# Altium PCB LimeKEY-RPCM_1v2.PcbDoc (part 6 of 8) (continued)
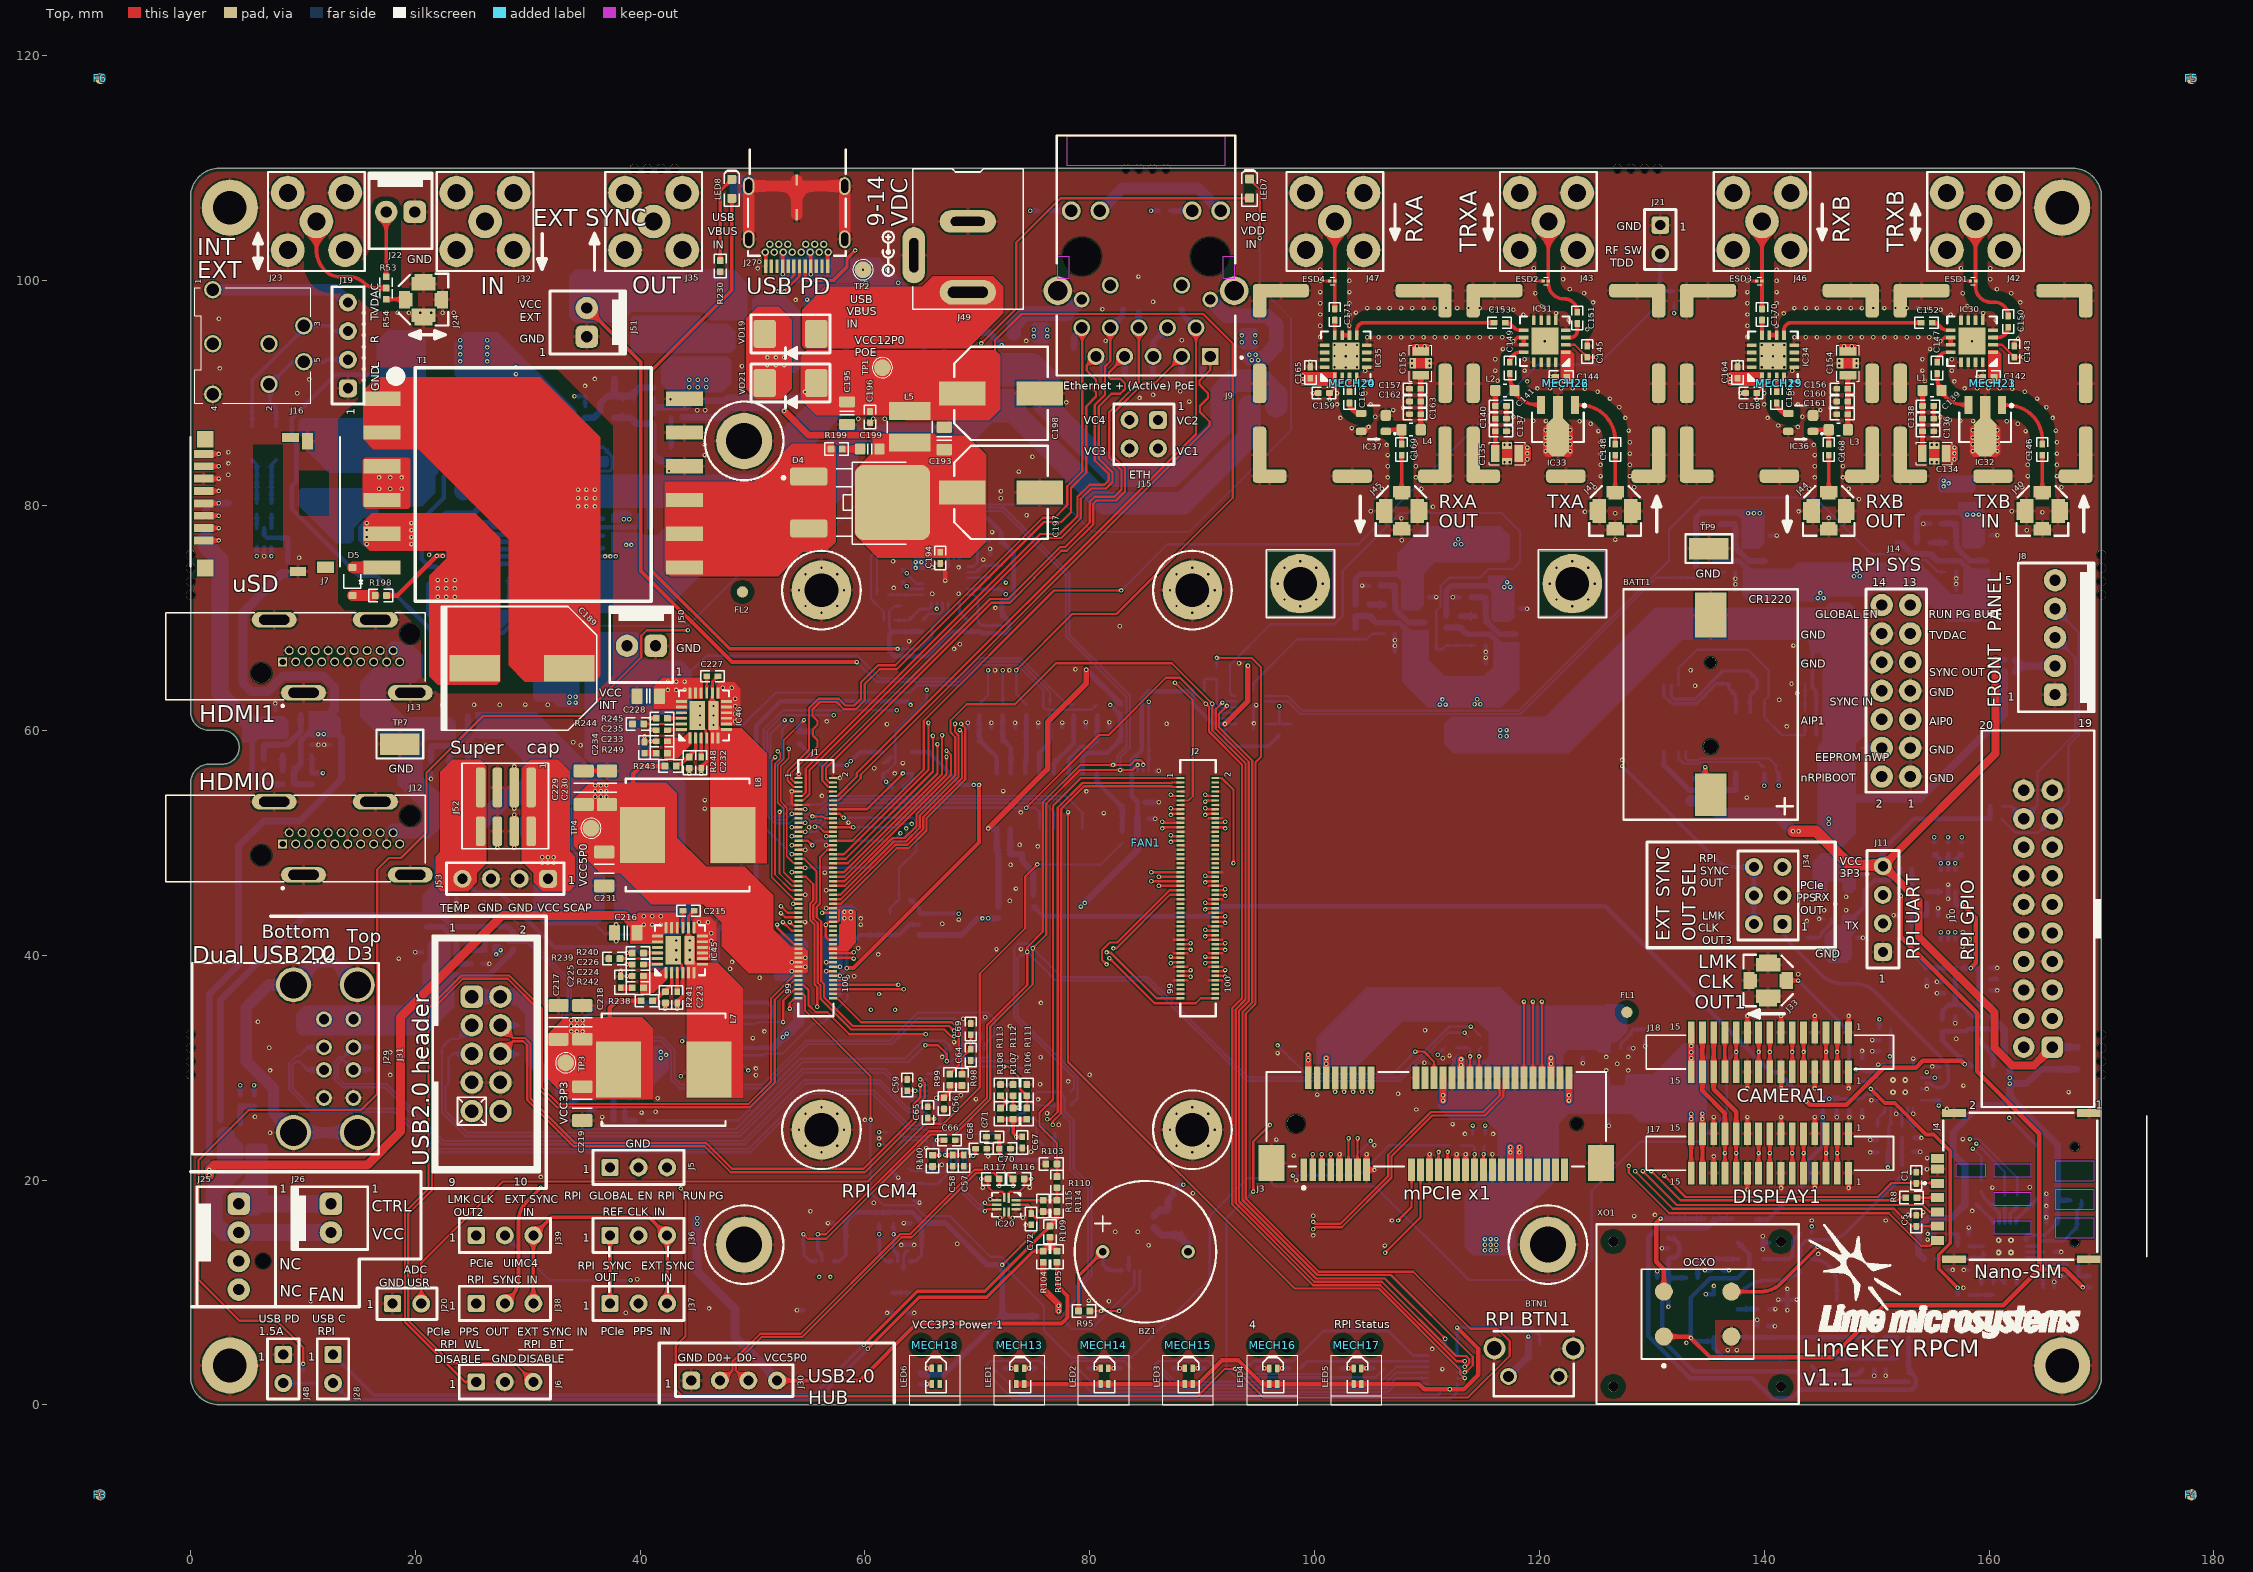
[diagram p0: Top view]
## Nets (pads, with @x,y where several pads share a name; then routed paths per layer and width w, separated by ;. In a path a pad name is that pad's centre, name@x,y a point inside that pad or via, vN(x,y) a via of type N, cw(c..) or ccw(c..) an arc to the next point about the centre after c; other vN are vias at no path point) (continued)
  L3 w0.1: v1(66.852,59.575) 67.027,59.4 99.155,59.4 105.163,53.392 105.255,53.3 134.225,53.3 138.1,57.175 143.953,57.175 150.178,50.95 155.383,50.95 156.184,50.149 156.494,50.149 156.844,50.499 v1(157.574,50.499) 162.373,45.7 166.375,45.7 166.8,45.275 166.8,43.16 J10.9@165.62,41.98 166.8,40.8 166.8,31.125 161.775,26.1 161.342,26.1 158.875,23.633 v1(158.875,23.25)
  Bottom w0.2: v1(158.875,23.25) 161.4,20.725 R165.1@161.4,18.65
  Bottom w0.4: R170.2@157.574,50.049 v1(157.574,50.499)
RPI_SPI0_MOSI_R: IC27.7 IC29.3 R170.1 | length 8.5
  L3 w0.1: v1(156.999,42.035) v1(156.999,48.185)
  Bottom w0.4: IC27.7@156.999,41.399 v1(156.999,42.035) ; IC29.3@156.999,47.549 156.999,48.474 R170.1@157.574,49.049
RPI_SPI0_SCLK: J1.38 J10.13 R163.1 R169.2 | length 157.5
  Top w0.2: J1.38@57.165,48.575 58.291,48.575 66.05,56.334 v1(66.05,59.525)
  L3 w0.1: v1(66.05,59.525) 66.55,60.025 67,60.025 67.425,59.6 99.238,59.6 105.338,53.5 134.142,53.5 138.017,57.375 144.036,57.375 150.261,51.15 155.698,51.15 v1(156.349,50.499) 156.699,50.85 157.775,50.85 157.975,50.65 157.975,50.4 162.475,45.9 164.46,45.9 J10.13@165.62,47.06 167,45.68 167,31.042 161.858,25.9 161.425,25.9 159.325,23.8 159.325,23.205 158.92,22.8 v1(158.55,22.8)
  Bottom w0.2: v1(158.55,22.8) 159.3,22.05 R163.1@159.3,19.95
  Bottom w0.4: R169.2@156.349,50.049 v1(156.349,50.499)
RPI_SPI0_SCLK_R: IC27.6 IC29.2 R169.1 | length 8.6
  L3 w0.1: v1(156.349,42.035) 155.975,42.409 155.975,47.811 v1(156.349,48.185)
  Bottom w0.4: IC27.6@156.349,41.399 v1(156.349,42.035) ; IC29.2@156.349,47.549 R169.1@156.349,49.049
RPI_SPI0_SS0: J1.39 R168.2 | length 120.9
  Top w0.15: v1(53.225,58.375) 53.225,57.525 52.5,56.8 52.5,53.675 53.05,53.125 53.05,48.8 53.675,48.175 J1.39@54.085,48.175
  L3 w0.1: v1(53.225,58.375) 56.075,58.375 56.375,58.675 65.8,58.675 66.325,59.2 99.073,59.2 105.173,53.1 134.308,53.1 138.183,56.975 143.87,56.975 150.095,50.75 154.873,50.75 v1(155.124,50.499)
  Bottom w0.4: R168.2@155.124,50.049 v1(155.124,50.499)
RPI_SPI0_SS0_R: IC27.5 IC29.1 R168.1 | length 9
  L3 w0.1: v1(155.699,42.035) 155.114,42.62 155.114,47.6 v1(155.699,48.185)
  Bottom w0.4: R168.1@155.124,49.049 155.699,48.474 IC29.1@155.699,47.549 ; IC27.5@155.699,41.399 v1(155.699,42.035)
RPI_SPI0_SS1: J1.37 R166.1 | length 133
  Top w0.2: J1.37@54.085,48.575 54.599,48.575 55.695,47.479 55.695,44.746 55.4,44.451 55.4,43.251 55.8,42.851 55.8,37.55 56.05,37.3 56.05,36.133 58.783,33.4 67.05,33.4 67.675,32.775 v1(67.925,32.775)
  L3 w0.1: v1(67.925,32.775) 74.796,32.775 87.338,20.234 87.338,20.012 89.075,18.275 139.4,18.275 140.8,19.675 154.325,19.675 v1(158.3,23.65)
  Bottom w0.2: v1(158.3,23.65) 159.05,23.65 162.5,20.2 R166.1@162.5,18.65
RPI_SPI1_MISO: IC8.12 J1.26 | length 26.1
  Top w0.2: v1(55.525,51.425) 55.9,51.425 56.35,50.975 J1.26@57.165,50.975
  Bottom w0.2: v1(55.525,51.425) 56.075,51.975 56.075,52.451 57.199,53.575 57.675,53.575 72.874,53.575 72.899,53.55 76,53.55 76.795,52.755 IC8.12@76.795,51.275
RPI_SPI1_MOSI: IC8.11 IC14.14 J1.27 | length 99.4
  Top w0.2: v1(53.475,50.575) J1.27@54.085,50.575 ; v1(78.065,52.735) 78.065,30.51 98.225,10.35 105.725,10.35 112.966,3.109 112.966,2.718 113.2,2.484 113.212,2.484 113.312,2.384 v1(113.366,2.384)
  Bottom w0.2: v1(53.475,50.575) 53.875,50.975 53.875,51.521 54.529,52.175 54.875,52.175 55.15,51.9 55.475,51.9 55.738,52.163 55.738,52.538 57.075,53.875 77.05,53.875 78.065,52.86 v1(78.065,52.735) IC8.11@78.065,51.275 ; IC14.14@112.675,2.384 v1(113.366,2.384)
RPI_SPI1_SCLK: IC8.13 IC14.11 IC16.11 J1.25 | length 122.7
  Top w0.2: J1.25@54.085,50.975 v1(54.695,50.975) ; v1(74.35,53.125) 80.825,59.6 81.675,59.6 86.75,64.675 88.025,64.675 v1(90.325,62.375) 90.6,62.1 90.6,59.9 93.55,56.95 93.55,36.175 92.675,35.3 92.675,17.825 99.85,10.65 105.849,10.65 112.615,3.884 v1(113.366,3.884)
  Bottom w0.2: v1(54.695,50.975) 55.65,50.975 56.437,51.762 56.437,52.389 57.174,53.125 v1(74.35,53.125) 75.125,53.125 75.525,52.725 IC8.13@75.525,51.275 ; v1(90.325,62.375) 91.63,61.07 IC16.11@93.014,61.07 ; IC14.11@112.675,3.884 v1(113.366,3.884)
RPI_SPI1_SS0: IC8.10 J1.49 | length 37.2
  Top w0.15: v1(52.4,52.75) 52.4,47.275 53.5,46.175 J1.49@54.085,46.175
  Bottom w0.2: v1(52.4,52.75) 53.05,53.4 56.125,53.4 56.9,54.175 77.85,54.175 79.333,52.692 IC8.10@79.333,51.277 IC8.10@79.335,51.275
RPI_SPI1_SS1: IC14.12 IC16.12 J1.50 | length 124.1
  Top w0.2: J1.50@57.165,46.175 58.2,46.175 62.45,50.425 63.525,50.425 64.575,51.475 64.575,52.548 68.025,55.998 68.025,59.4 67.619,59.806 67.619,60.894 69.05,62.325 73.35,62.325 77,65.975 87.3,65.975 v1(90.9,62.375) 90.9,60.024 93.85,57.074 93.85,36.051 92.975,35.176 92.975,17.949 99.974,10.95 105.974,10.95 112.574,4.35 113.466,4.35 113.766,4.05 113.766,3.718 113.532,3.484 113.52,3.484 113.42,3.384 v1(113.366,3.384)
  Bottom w0.2: v1(90.9,62.375) 91.705,61.57 IC16.12@93.014,61.57 ; IC14.12@112.675,3.384 v1(113.366,3.384)
RPI_STATUS_LED_G: IC2.4 R14.1 R86.1 R91.2 | length 206.7
  Top w0.2: v1(43.6,19.25) 44.025,18.825 44.025,6.1 43.175,5.25 43.175,1.375 43.775,0.775 89.575,0.775 92,3.2 v1(92.925,3.2) 95.475,0.65 113.625,0.65 117.35,4.375 117.35,5.675 116.25,6.775 113.85,6.775 108.775,11.85 100.372,11.85 93.875,18.347 93.875,34.801 94.75,35.676 94.75,57.175 95.225,57.65 95.225,65.625 94.4,66.45 v1(91.275,66.45)
  L3 w0.1: v1(43.6,19.25) 43.6,27.175 44.325,27.9 44.325,31.75 v1(43.725,32.35)
  Bottom w0.2: v1(43.725,32.35) 44.05,32.675 R14.1@45.4,32.675 46.4,32.675 46.955,33.23 IC2.4@48.06,33.23 ; R91.2@91.275,65.575 v1(91.275,66.45) ; v1(92.925,3.2) 93.375,2.75 100.91,2.75 R86.1@101.41,3.25
RPI_STATUS_LED_R: J1.21 R87.1 | length 98.8
  Top w0.2: J1.21@54.085,51.775 v1(54.695,51.775) ; v1(94.55,18.975) 94.55,23.425 v1(96.025,24.9)
  L3 w0.1: v1(54.695,51.775) 56.045,51.775 61.72,46.1 72.425,46.1 72.95,45.575 82.6,45.575 85.35,42.825 90.825,42.825 91.8,41.85 92.375,41.85 96.025,38.2 v1(96.025,24.9)
  Bottom w0.2: v1(94.55,18.975) 92.166,16.591 92.166,3.276 92.992,2.45 105.41,2.45 R87.1@106.21,3.25
RPI_SYNC_IN: IC3.4 J14.8 J38.2 R22.2 | length 166.1
  Top w0.325: J38.2@27.959,9.025 28.431,9.497 ccw(c26.635,11.293) 29.175,11.293 29.175,16.298 cw(c31.715,16.298) 29.919,18.094 v1(31.15,19.325)
  L3 w0.1: v1(65.5,63.6) 97.8,63.6 106.225,55.175 128.6,55.175 134.7,61.275 148.204,61.275 J14.8@150.454,63.525
  L4 w0.1: v1(31.15,19.325) 33.656,21.831 cw(c35.452,20.035) 35.452,22.575 38.298,22.575 ccw(c38.298,25.115) 40.094,23.319 55.377,38.602 ccw(c54.718,39.261) 55.65,39.261 cw(c56.589,39.261) 55.925,39.925 cw(c56.649,39.201) 56.649,40.225 ccw(c56.65,42.7) 58.4,40.95 61.131,43.681 ccw(c59.335,45.477) 61.875,45.477 v1(61.875,55.425)
  Bottom w0.2: IC3.4@61.6,56.175 61.8,56.175 61.925,56.3 61.925,56.305 62.7,57.08 62.7,59.875 65.5,62.675 v1(65.5,63.6)
  Bottom w0.35: IC3.4@61.6,56.175 61.6,55.703 R22.2@62.4,54.903
RPI_SYNC_IN_LS: IC3.3 J1.16 R22.1 | length 10
  Top w0.2: J1.16@57.165,52.975 60.175,52.975 v1(63.375,56.175)
  Bottom w0.2: v1(63.375,56.175) IC3.3@64.2,56.175
  Bottom w0.35: R22.1@63.4,54.903 64.2,55.703 IC3.3@64.2,56.175
RPI_SYNC_OUT: IC1.4 J14.9 J34.5 J36.1 J37.1 R15.1 | length 153
  Top w0.325: J37.1@37.319,9.025 J36.1@37.319,15.075
  L4 w0.1: J36.1@37.319,15.075 ccw(c37.319,17.021) 38.695,15.645 66.006,42.956 cw(c67.802,41.16) 67.802,43.7 v1(68.35,43.7) 89.023,43.7 cw(c89.023,41.16) 90.819,42.956 91.15,42.625 ccw(c92.599,44.074) 92.599,42.025 130.798,42.025 ccw(c130.798,44.565) 132.594,42.769 135.681,45.856 cw(c137.477,44.06) 137.477,46.6 139.323,46.6 ccw(c139.323,49.14) J34.5@141.119,47.344 ; J34.5@141.621,47.846 143.756,49.981 ccw(c141.96,51.777) 144.5,51.777 144.5,59.023 cw(c147.04,59.023) 145.244,60.819 148.481,64.056 cw(c150.277,62.26) 150.277,64.8 150.676,64.8 ccw(c150.676,67.34) 152.473,65.544 J14.9@152.996,66.068
  Bottom w0.35: R15.1@64.025,44.972 64.825,44.172 IC1.4@64.825,43.7 v1(68.35,43.7)
RPI_SYNC_OUT_LS: IC1.3 J1.18 R15.2 | length 16.9
  Top w0.2: J1.18@57.165,52.575 57.75,52.575 v1(58.1,52.225)
  Bottom w0.2: v1(58.1,52.225) 64.259,52.225 64.575,51.909 64.575,49.3 63.025,47.75 R15.2@63.025,44.972 62.225,44.172 IC1.3@62.225,43.7
RPI_TVDAC: J2.11 J14.11 J16.1 J19.4 | length 209.3
  Top w0.2: v1(87.575,64.25) 89.15,62.675 89.15,54.15 88.775,53.775 J2.11@88.085,53.775
  L3 w0.3: 149.35,67.35 151.736,67.35 J14.11@152.996,68.611
  L3 w0.6: J16.1@2.1,99.2 5.15,96.15 5.15,85.9 15.475,75.575 17.05,75.575 22.625,70 42.175,70 45.05,67.125 46.5,67.125 50.45,63.175 50.45,61.7 52.275,59.875 54.575,59.875 59.025,64.325 98.025,64.325 106.7,55.65 128.225,55.65 134.375,61.8 143.8,61.8 149.35,67.35
  Bottom w1: J16.1@1.975,99.2 12.864,99.2 J19.4@14,98.064
RPI_UART0_RX: J1.51 J10.10 J11.3 | length 138.2
  Top w0.15: v1(52.25,58.125) 52.45,57.925 52.45,57.479 52,57.029 52,47.175 53.4,45.775 J1.51@54.085,45.775
  L3 w0.1: v1(52.25,58.125) 52.9,58.125 53.025,58 56.025,58 56.425,58.4 66.65,58.4 67.025,58.775 67.925,58.775 98.924,58.775 104.999,52.7 134.474,52.7 138.299,56.525 138.349,56.575 143.417,56.575 148.75,51.242 148.75,47.13 150.509,45.371 J11.3@150.55,45.371 154.571,41.35 157.55,41.35 158.18,41.98 J10.10@163.08,41.98
RPI_UART0_TX: J1.55 J10.8 J11.2 | length 140.3
  Top w0.15: v1(52.025,57.625) 51.7,57.3 51.7,46.925 53.65,44.975 J1.55@54.085,44.975
  L3 w0.1: v1(52.025,57.625) 55.933,57.625 56.433,58.125 66.658,58.125 67.108,58.575 67.842,58.575 98.841,58.575 104.916,52.5 134.556,52.5 138.264,56.208 138.381,56.325 138.431,56.375 143.334,56.375 148.55,51.159 148.55,47 149.575,45.975 149.575,43.804 J11.2@150.55,42.829 153.604,39.775 160.675,39.775 161.01,39.44 J10.8@163.08,39.44
RPI_USB_D_N: IC20.2 J2.3 R117.2 | length 52.2
  Top w0.2: v1(70.325,20.106) R117.2@70.95,20.106 70.95,19.375 71.375,18.95 72.2,18.95 72.375,18.775 IC20.2@72.375,18.45 ; v1(76.205,25.412) 76.488,25.412 77.15,26.074 77.15,53.124 79.351,55.325 87.25,55.325 87.3,55.375 J2.3@88.085,55.375
  L3 w0.1: v1(70.325,20.106) 72.056,20.106 72.575,20.625 72.575,21.429 76.205,25.059 v1(76.205,25.412)
RPI_USB_D_P: IC20.1 J2.5 R116.2 | length 51.7
  Top w0.2: IC20.1@72.775,18.4 72.775,18.825 72.9,18.95 73.75,18.95 74.175,19.375 R116.2@74.175,20.1 v1(74.8,20.1) ; v1(76.7,24.917) 76.7,25.2 77.45,25.95 77.45,53 79.475,55.025 87.25,55.025 87.3,54.975 J2.5@88.085,54.975
  L3 w0.1: v1(74.8,20.1) 73.3,20.1 72.775,20.625 72.775,21.346 76.346,24.917 v1(76.7,24.917)
RPI_USB_OTG_ID: J2.1 R103.1 R110.2 | length 46.5
  Top w0.2: R110.2@77.075,20.306 77.075,21.25 77.075,23.275 75.525,24.825 75.525,25.975 76.725,27.175 76.725,53.3 79.2,55.775 J2.1@88.085,55.775
RPI_WL_nDISABLE: J1.89 J6.1 | length 89.4
  Top w0.2: J6.1@25.419,2.038 24.413,2.038 19.075,7.376 19.075,17.124 21.175,19.224 21.175,35.274 24.101,38.2 28.35,38.2 31.25,35.3 31.25,28.25 32.725,26.775 49.651,26.775 51.65,28.774 51.65,36.175 53.65,38.175 J1.89@54.085,38.175
RTC_nINT: C54.1 IC15.3 IC17.3 R88.1 | length 20.7
  Bottom w0.2: IC17.3@132.375,64 132.375,65.525 134.025,67.175 138.55,67.175 140.4,65.325 140.4,63.05 140.01,62.66 IC15.3@140.01,61.612 140.01,61.165 141.575,59.6 R88.1@143.625,59.6 C54.1@143.625,60.7
RTC_OSCI: IC15.1 IC17.1 XT1.1 | length 10.5
  Bottom w0.3: IC17.1@131.075,64 131.075,63.1 131.8,62.375 133.975,62.375 135.734,64.134 XT1.1@136.83,64.134 136.83,63.735 137.47,63.094 IC15.1@137.47,61.612
RTC_OSCO: IC15.2 IC17.2 XT1.2 | length 13.2
  Bottom w0.3: IC17.2@131.725,64 131.725,63.025 131.975,62.775 133.809,62.775 136.319,65.284 138.591,65.284 139.33,64.545 XT1.2@139.33,64.134 ; IC15.2@138.74,61.612 138.74,63.094 139.38,63.735 XT1.2@139.38,64.134
RTC_VDD: C51.1 D1.C IC15.8 IC17.8 | length 10
  Bottom w0.3: 131.075,56.925 IC17.8@131.075,58.1
  Bottom w0.5: 131.075,56.925 133.312,54.688 D1.C@136.058,54.688 C51.1@137.47,54.688 IC15.8@137.47,56.188
RXA: C171.1 ESD4.1 J47.1 | length 7.8
  Top w0.325: C171.1@101.8,97.5 ESD4.1@101.8,99.975 J47.1@101.8,105.275
RXA_OUT: C169.2 J45.1 | length 3.2
  Top w0.325: J45.1@107.74,81.225 C169.2@107.74,84.475
RXB: C170.1 ESD3.1 J46.1 | length 7.8
  Top w0.325: C170.1@139.8,97.5 ESD3.1@139.8,99.975 J46.1@139.8,105.275
RXB_OUT: C168.2 J44.1 | length 3.2
  Top w0.325: J44.1@145.74,81.225 C168.2@145.74,84.475
SCAP_TEMP: C37.1 IC8.7 J52.4 J53.4 R47.2 R51.1 | length 90.2
  L3 w0.4: v1(64.057,62.268) v1(81.818,62.268)
  Bottom w0.4: J53.4@24.186,46.8 25.436,45.55 27.525,45.55 32.35,40.725 39.475,40.725 41.425,38.775 46.05,38.775 46.9,39.625 46.9,42.175 50.325,45.6 50.325,60.425 52.475,62.575 63.75,62.575 v1(64.057,62.268) ; IC8.7@79.333,56.177 79.352,56.196 79.352,57.602 79.75,58 81.566,58 82.651,59.085 82.651,59.135 82.701,59.185 C37.1@82.751,59.185 R51.1@82.751,60.235 R47.2@82.751,61.335 v1(81.818,62.268)
  Bottom w0.6: J53.4@24.186,46.8 J53.4@24.225,46.839
SIM_VPP: J4.C6 R8.2 | length 1.8
  Top w0.2: R8.2@153.59,18.435 J4.C6@155.405,18.435
SR0_DOUT: IC14.9 IC16.14 | length 71.8
  Top w0.2: v1(91.8,62.475) 91.2,61.875 91.2,60.15 94.15,57.2 94.15,35.924 93.275,35.049 93.275,18.099 100.124,11.25 106.25,11.25 v1(111.625,5.875)
  Bottom w0.2: v1(91.8,62.475) 91.92,62.595 92.989,62.595 IC16.14@93.014,62.57 ; IC14.9@111.625,4.984 v1(111.625,5.875)
SR_OE: IC14.13 IC16.13 R90.2 R91.1 R93.1 | length 80.9
  Top w0.2: v1(92.2,62.175) 91.5,61.475 91.5,60.274 94.45,57.324 94.45,35.8 93.575,34.925 93.575,18.223 100.248,11.55 106.8,11.55 114.075,4.275 114.075,3.527 113.532,2.984 113.52,2.984 113.42,2.884 v1(113.366,2.884)
  Bottom w0.2: R90.2@90.175,63.475 R93.1@90.175,64.575 R91.1@91.275,64.575 91.3,64.55 91.3,62.399 91.699,62 92.025,62 v1(92.2,62.175) ; v1@92.18,62.195 v1(92.2,62.175) ; IC16.13@93.014,62.07 92.58,62.07 92.475,62.175 v1(92.2,62.175) ; IC14.13@112.675,2.884 v1(113.366,2.884)
TCXO_DAC_VREF: C126.2 C127.1 IC27.2 R152.1 R153.1 R158.1 | length 8
  Bottom w0.4: R152.1@155.849,34.239 155.849,35.015 156.423,35.589 R158.1@156.998,35.589 ; IC27.2@156.999,38.884 C127.1@156.999,37.63 R158.1@156.999,35.575 157.548,35.575 158.549,34.574 R153.1@159.099,34.574
TRXA: C151.1 ESD2.1 J43.1 | length 9.6
  Top w0.325: J43.1@120.8,105.275 ESD2.1@120.8,99.975 120.8,99.75 ccw(c122.15,99.75) 122.15,98.4 122.175,98.4 cw(c122.175,97.2) C151.1@123.375,97.2
TRXB: C150.1 ESD1.1 J42.1 | length 10.2
  Top w0.325: J42.1@158.8,105.275 ESD1.1@158.8,99.975 158.8,99.475 ccw(c160.175,99.475) 160.175,98.1 160.475,98.1 cw(c160.475,96.875) C150.1@161.7,96.875
TXA_IN: C148.2 J41.1 | length 3.2
  Top w0.325: J41.1@126.74,81.225 C148.2@126.74,84.475
TXB_IN: C146.2 J40.1 | length 3.2
  Top w0.325: J40.1@164.74,81.225 C146.2@164.74,84.475
UFL_INT_TO_EXT: J24.1 R54.2 | length 1.7
  Top w0.325: R54.2@17.4,98.35 J24.1@19.015,98.35 ; J24.1@18.815,98.35 cw(c18.815,98.265) J24.1@18.875,98.325
UIM_CLK: J3.12 J4.C3 | length 60.4
  Top w0.2: v1(127.95,21.25) 127.95,20.65 131.55,17.05 151.075,17.05 153.975,14.15 154.725,14.15 155.195,14.62 J4.C3@155.405,14.62 J4.C3@155.705,14.62
  Top w0.4: v1(103.425,27.85) J3.12@103.425,29.1
  L3 w0.1: v1(103.425,27.85) 103.425,26.816 108.991,21.25 v1(127.95,21.25)
UIM_DATA: C5.2 J3.10 J4.C7 | length 59.3
  Top w0.2: v1(128.525,20.775) 131.85,17.45 151.55,17.45 153.11,15.89 J4.C7@155.405,15.89
  Top w0.4: v1(102.625,27.85) J3.10@102.625,29.1
  L3 w0.1: v1(102.625,27.85) 102.625,27.333 108.908,21.05 127.55,21.05 127.825,20.775 v1(128.525,20.775)
UIM_PWR: C1.2 J3.8 J4.C1 | length 59.2
  Top w0.2: v1(131.1,20.4) 133,18.5 150.1,18.5 151.331,19.731 J4.C1@155.405,19.731
  Top w0.4: v1(101.825,27.85) J3.8@101.825,29.1
  L3 w0.1: v1(101.825,27.85) 108.85,20.825 127.45,20.825 127.875,20.4 v1(131.1,20.4)
UIM_RESET: J3.14 J4.C2 | length 58.1
  Top w0.2: v1(129.2,20.8) 132.225,17.775 154.1,17.775 154.715,17.16 J4.C2@155.405,17.16 J4.C2@155.705,17.16
  Top w0.4: v1(104.225,27.85) J3.14@104.225,29.1
  L3 w0.1: v1(104.225,27.85) 104.225,26.299 109.024,21.5 127.705,21.5 127.805,21.6 128.4,21.6 v1(129.2,20.8)
UIM_VPP: J3.16 R8.1 | length 54
  Top w0.2: v1(129.95,20.8) 132.55,18.2 151.85,18.2 152.1,18.45 R8.1@152.375,18.45
  Top w0.4: v1(105.025,27.85) J3.16@105.025,29.1
  L3 w0.1: v1(105.025,27.85) 105.025,25.781 109.106,21.7 127.622,21.7 127.722,21.8 128.95,21.8 v1(129.95,20.8)
USB_CC1: C214.1 IC44.15 J27.A5 | length 55.4
  Top w0.3: J27.A5@54.675,101.295 54.675,100.25 54.9,100.025 57.175,100.025 58.4,101.25 58.4,101.975 v1(59.125,102.7)
  L3 w0.1: v1(59.125,102.7) 61.55,105.125 65.325,105.125 68.2,102.25 70.05,102.25 72.225,100.075 72.225,97.008 71,95.783 71,89.5 63.716,82.216 v1(63.716,73.97)
  Bottom w0.25: C214.1@63.291,74.37 63.341,74.37 63.466,74.245 63.466,74.195 64.586,73.075 IC44.15@65.184,73.075
USB_CC2: C213.1 IC44.14 J27.B5 | length 55.4
  L3 w0.1: J27.B5@53.125,103.245 55.205,105.325 65.408,105.325 68.283,102.45 70.133,102.45 72.425,100.158 72.425,96.925 71.2,95.7 71.2,89.417 64.066,82.283 64.066,73.175 v1(63.714,72.823)
  Bottom w0.25: C213.1@63.291,73.245 63.341,73.245 63.466,73.12 63.466,73.07 v1(63.714,72.823) 63.961,72.575 IC44.14@65.184,72.575
USB_HUB_CFG_SEL0: IC19.41 IC21.6 IC22.6 R108.1 R113.2 R119.1 | length 37
  Top w0.2: R113.2@71.95,27.5 R113.2@72.05,27.5 v1(72.6,26.95) R108.1@72.05,26.4
  Bottom w0.2: v1(72.6,26.95) IC19.41@74.25,26.95 75.05,26.95 75.375,26.625 R119.1@77.275,26.625 ; R119.1@77.3,26.725 77.3,26.1 78.25,25.15 78.25,20.875 79.85,19.275 79.85,11.6 78.775,10.525 78.775,9.35 77.835,8.41 IC21.6@77.835,7.875 77.835,7.34 78.4,6.775 80.15,6.775 83.95,10.575 IC22.6@83.95,11.95
USB_HUB_CFG_SEL1: IC19.42 R107.1 R112.1 | length 2.2
  Top w0.2: R107.1@73.175,26.4 R112.1@73.175,27.5
  Top w0.4: R107.1@73.175,26.4 73.225,26.45 v1(73.65,26.45)
  Bottom w0.2: v1(73.65,26.45) IC19.42@74.25,26.45
USB_HUB_CFG_SEL2: IC19.13 R106.1 R111.2 | length 11.9
  Top w0.2: v1(72.325,30.1) 72.75,30.1 73.8,29.05 73.8,28.1 R111.2@74.4,27.5 R106.1@74.4,26.4
  Bottom w0.2: IC19.13@65.5,29.45 66.025,29.45 66.675,30.1 v1(72.325,30.1)
USB_HUB_D0_N: IC19.58 IC20.4 J30.3 R117.1 | length 44.3
  Top w0.2: J30.3@49.63,1.938 48.509,3.059 48.509,3.735 50.799,6.025 54.399,6.025 63.274,14.9 64.149,14.9 69.874,20.625 71.481,20.625 71.95,20.156 R117.1@71.95,20.106 v1(71.95,19.475) ; v1(70.675,17.975) 70.85,17.8 IC20.4@71.725,17.8
  L3 w0.1: v1(70.675,17.975) 70.7,17.95 71.717,17.95 72.575,18.808 72.575,19.275 72.375,19.475 v1(71.95,19.475)
  Bottom w0.2: IC19.58@69.125,22.825 69.075,22.775 69.075,22.395 69.025,22.345 69.025,18.924 70.199,17.75 70.45,17.75 v1(70.675,17.975)
USB_HUB_D0_P: IC19.59 IC20.5 J30.2 R116.1 | length 46.8
  Top w0.2: J30.2@47.088,1.938 48.209,3.059 48.209,3.859 50.675,6.325 54.275,6.325 63.15,15.2 64.025,15.2 69.75,20.925 72.3,20.925 73.175,20.05 v1(73.175,19.475) ; v1(70.675,17.225) 70.85,17.4 IC20.5@71.725,17.4
  L3 w0.1: v1(70.675,17.225) 71.275,17.225 73.175,19.125 v1(73.175,19.475)
  Bottom w0.2: IC19.59@68.625,22.825 68.675,22.775 68.675,22.395 68.725,22.345 68.725,18.8 70.075,17.45 70.45,17.45 v1(70.675,17.225)
USB_HUB_D1_N: IC19.1 R97.2 | length 2.7
  Bottom w0.2: R97.2@62.975,23.15 63.375,23.55 65.02,23.55 65.07,23.5 65.45,23.5 IC19.1@65.5,23.45
USB_HUB_D1_P: IC19.2 R94.2 | length 2.7
  Bottom w0.2: R94.2@62.975,24.25 63.375,23.85 65.02,23.85 65.07,23.9 65.45,23.9 IC19.2@65.5,23.95
USB_HUB_D2_N: IC19.3 J29.B2 VD11.A | length 70
  Bottom w0.2: VD11.A@10.435,31.8 9.66,31.025 9.45,31.025 8.775,30.35 8.775,28.026 10.751,26.05 18.15,26.05 21.73,22.47 49.795,22.47 54.975,27.65 60.701,27.65 63.801,24.55 65.02,24.55 65.07,24.5 65.45,24.5 IC19.3@65.5,24.45
  Bottom w0.4: VD11.A@10.435,31.8 J29.B2@11.87,31.8 VD11.A@10.435,31.8
USB_HUB_D2_P: IC19.4 J29.B3 VD10.A | length 68.9
  Bottom w0.2: VD10.A@10.435,29.8 9.71,30.525 9.374,30.525 9.075,30.226 9.075,28.15 10.875,26.35 18.274,26.35 21.854,22.77 49.671,22.77 54.851,27.95 60.825,27.95 63.925,24.85 65.02,24.85 65.07,24.9 65.45,24.9 IC19.4@65.5,24.95
  Bottom w0.4: VD10.A@10.435,29.8 J29.B3@11.87,29.8 VD10.A@10.435,29.8
USB_HUB_D3_N: IC19.6 J29.T2 VD13.A | length 63.6
  Bottom w0.2: J29.T2@14.49,31.8 13.615,30.925 13.251,30.925 12.8,30.474 12.8,28.976 13.526,28.25 17.3,28.25 22.375,23.175 49.3,23.175 54.725,28.6 61.201,28.6 63.751,26.05 65.02,26.05 65.07,26 65.45,26 IC19.6@65.5,25.95
  Bottom w0.4: J29.T2@14.49,31.8 VD13.A@15.925,31.8
USB_HUB_D3_P: IC19.7 J29.T3 VD12.A | length 62.6
  Bottom w0.2: J29.T3@14.49,29.8 13.665,30.625 13.375,30.625 13.1,30.35 13.1,29.1 13.65,28.55 17.424,28.55 22.499,23.475 49.176,23.475 54.601,28.9 61.325,28.9 63.875,26.35 65.02,26.35 65.07,26.4 65.45,26.4 IC19.7@65.5,26.45
  Bottom w0.4: J29.T3@14.49,29.8 VD12.A@15.925,29.8
USB_HUB_D4_N: IC19.8 J31.3 VD15.A | length 56.7
  Bottom w0.2: J31.3@25.029,33.768 23.811,32.55 23.125,32.55 VD15.A@22.375,31.8 22.375,26 24.475,23.9 48.874,23.9 54.549,29.575 61.676,29.575 64.201,27.05 65.02,27.05 65.07,27 65.45,27 IC19.8@65.5,26.95
USB_HUB_D4_P: IC19.9 J31.5 VD14.A | length 54.1
  Bottom w0.2: J31.5@25.029,31.225 23.35,31.225 22.95,30.825 VD14.A@22.95,29.8 22.95,28.575 22.675,28.3 22.675,26.124 24.599,24.2 48.75,24.2 54.425,29.875 61.8,29.875 64.325,27.35 65.02,27.35 65.07,27.4 65.45,27.4 IC19.9@65.5,27.45
USB_HUB_D5_N: IC19.11 J31.4 VD17.A | length 61.7
  Top w0.2: J31.4@27.571,33.768 28.693,32.646 29.729,32.646 30.25,32.125 30.25,27.25 34.2,23.3 45.875,23.3 48.175,21 59.876,21 ; 59.876,21 64.275,25.399 ; 59.876,21 64.275,25.399 ; 64.275,25.399 64.275,26.699 ; 64.275,25.399 64.275,26.699 ; 64.275,26.699 64.925,27.349 ; 64.275,26.699 64.925,27.349 ; 64.925,27.349 v1(64.925,28.45) 64.925,27.349
  Bottom w0.2: v1(64.925,28.45) IC19.11@65.5,28.45
  Bottom w0.3: J31.4@27.584,33.78 VD17.A@29.144,33.78
USB_HUB_D5_P: IC19.12 J31.6 VD16.A | length 64
  Top w0.2: J31.6@27.571,31.225 28.693,32.346 29.604,32.346 29.95,32.001 29.95,27.126 34.076,23 45.751,23 48.051,20.7 60,20.7 ; 60,20.7 64.575,25.275 ; 60,20.7 64.575,25.275 ; 64.575,25.275 64.575,26.575 ; 64.575,25.275 64.575,26.575 ; 64.575,26.575 65.325,27.325 ; 64.575,26.575 65.325,27.325 ; v1@65.025,28.85 v1@65.091,28.85 ; v1@65.025,28.85 v1(64.925,28.95) v1@65.025,28.85 ; v1@65.025,28.85 v1@65.091,28.85 ; v1@65.091,28.85 65.325,28.616 ; v1@65.091,28.85 65.325,28.616 ; 65.325,27.325 65.325,28.616 ; 65.325,27.325 65.325,28.616
  Bottom w0.2: v1(64.925,28.95) IC19.12@65.5,28.95
  Bottom w0.3: J31.6@27.603,31.194 VD16.A@29.144,31.194
USB_HUB_I2C_SDA: IC19.40 IC21.5 IC22.5 R95.1 R118.1 | length 33.8
  Top w0.2: R95.1@80,8.35 v1(81,8.35) v1(82.625,8.35)
  Bottom w0.2: IC19.40@74.25,27.45 74.95,27.45 75.325,27.825 R118.1@77.275,27.825 77.775,27.325 77.775,26.1 78.568,25.307 78.568,21.007 80.15,19.425 80.15,11.476 79.105,10.431 IC21.5@79.105,7.875 80.525,7.875 v1(81,8.35) ; v1(82.625,8.35) 84.45,10.175 IC22.5@84.45,11.95
USB_HUB_OCS23: IC19.22 IC19.27 R125.2 | length 60.6
  Bottom w0.2: R125.2@27.158,41.68 27.733,41.68 28.333,41.08 30.02,41.08 33.55,37.55 33.55,35.324 33.1,34.874 33.1,32.85 33.575,32.375 41.85,32.375 42.75,31.475 42.75,28.926 43.501,28.175 50.974,28.175 54.899,32.1 62.4,32.1 64.7,34.4 67.975,34.4 68.625,33.75 IC19.22@68.625,31.575 68.64,31.56 68.64,31.11 68.875,30.875 70.85,30.875 71.125,31.15 IC19.27@71.125,31.575
USB_HUB_OCS45: IC19.21 IC19.35 R131.2 | length 46.1
  Top w0.2: v1(65.375,32) 66.5,32 67.275,31.225 v1(67.275,30.575)
  Bottom w0.2: R131.2@33.7,25.375 34.525,24.55 48.525,24.55 54.475,30.5 63.875,30.5 v1(65.375,32) ; v1(67.275,30.575) 67.725,30.575 68.125,30.975 ; IC19.21@68.125,31.575 68.125,30.975 ; IC19.35@74.25,29.95 73.65,29.95 73.025,30.575 68.525,30.575 68.125,30.975
USB_HUB_PRTPWR_23: IC19.26 R122.2 | length 62.3
  Bottom w0.2: R122.2@27.158,44.755 29.375,42.538 29.375,42.149 33.85,37.674 33.85,35.2 33.4,34.75 33.4,32.974 33.699,32.675 41.974,32.675 43.05,31.599 43.05,29.05 43.625,28.475 50.85,28.475 54.775,32.4 62.2,32.4 64.7,34.9 70.95,34.9 71.55,34.3 71.55,32.975 70.625,32.05 IC19.26@70.625,31.575
USB_HUB_PRTPWR_45: IC19.20 R128.2 | length 30.4
  Bottom w0.2: R128.2@40.666,25.329 48.754,25.329 54.225,30.8 63.55,30.8 65.15,32.4 67.075,32.4 67.575,31.9 67.575,31.625 IC19.20@67.625,31.575
USB_HUB_RST: C56.2 IC19.43 R98.1 R99.1 | length 14.7
  Top w0.4: v1(66.35,27.325) C56.2@67.025,27.325 67.025,27.375 67.075,27.425 67.125,27.425 67.54,27.84 R99.1@67.54,28.415 ; R99.1@67.55,28.425 R99.1@67.54,28.415 ; R98.1@68.64,28.415 R99.1@67.54,28.415
  Bottom w0.2: v1(66.35,27.325) 66.35,25.975 66.65,25.675 66.65,24.875 67.425,24.1 72.425,24.1 73.2,24.875 73.2,25.4 73.75,25.95 IC19.43@74.25,25.95
USB_PD_3V3: C210.2 C211.1 C212.1 IC44.23 R220.1 R221.1 R222.1 R223.1 R231.2 R232.2 R233.2 R236.1 | length 38.3
  Bottom w0.2: 62.455,68.795 62.166,69.084 62.166,70.591 62.645,71.07 R233.2@63.291,71.07
  Bottom w0.25: C211.1@67.766,78.845 C210.2@67.766,77.845 C212.1@67.766,76.845 67.766,76.17 67.9,76.036 IC44.23@67.9,75.291
  Bottom w0.4: R236.1@65.116,68.795 R231.2@63.891,68.795 62.455,68.795 62.175,68.515 62.175,67.075 62.65,66.6 65.5,66.6 67.695,68.795 R232.2@69.116,68.795 70.305,68.795 70.45,68.65 72.46,68.65 72.8,68.99 72.8,69.711 R223.1@72.166,70.345 R222.1@72.166,71.47 72.72,71.47 73.216,71.966 R221.1@73.216,74.67 73.216,75.795 R220.1@72.116,76.895 72.116,77.634 70.855,78.895 67.866,78.895 67.816,78.845 C211.1@67.766,78.845
USB_PD_HPI_INT: IC44.7 R232.1 | length 1.9
  Bottom w0.25: IC44.7@68.4,71.359 68.4,70.511 R232.1@69.116,69.795
USB_PD_HPI_SDA: IC44.12 R231.1 R234.1 | length 4.1
  Bottom w0.25: R234.1@62.666,69.795 R231.1@63.891,69.795 64.891,70.795 65.741,70.795 65.9,70.954 IC44.12@65.9,71.359
USB_PD_HPI_SLC: IC44.13 R233.1 R235.1 | length 3.1
  Bottom w0.25: R235.1@62.071,72.075 IC44.13@65.184,72.075
USB_VBUS_IN: C206.2 C207.2 IC43.7 IC43.8 IC44.18 J27.A4 J27.A9 J27.B4 J27.B9 R104.2 R217.2 TP2.1 VD9.K | length 279
  Top w0.3: v1(52.675,100.575) J27.A9@52.675,101.295 J27.B4@52.675,102.495 ; v1(55.175,100.575) J27.A4@55.175,101.295 J27.B9@55.175,102.495
  Top w0.6: R104.2@75.85,12.675 75.85,10.325 77.225,8.95 v1(77.225,8.825) v1(77.225,8.325)
  L4 w2: 33.975,62.7 33.975,62.075 32.375,60.475 15.15,60.475 14.275,61.35 9.275,61.35 7.7,59.775 6.15,59.775 ; 52.062,100.725 53.454,100.725 ; 64.75,75.075 64.75,95.5 59.675,100.575 v1(55.175,100.575) v1(52.675,100.575) 51.912,100.575 50.987,99.65 44.25,99.65 43.936,99.964 9.689,99.964 4.875,95.15 4.875,76.85 3.15,75.125 3.15,62.775 6.15,59.775 ; 77.2,9.05 76.575,9.675 54.975,9.675 54.3,10.35 47.175,10.35 44.975,12.55 35.75,12.55 31.325,16.975 27.575,16.975 24.125,20.425 8.125,20.425 3.075,25.475 3.075,54.25 6.15,57.325 6.15,59.775
  other v1: 33.7,62.475 34.25,62.475 33.725,63 34.25,63 64.5,74.45 64.5,74.975 65.025,74.975 60.075,99.825 62.95,99.825 59.825,100.975 62,100.975
VBUS_FET_EN: IC44.3 R218.2 | length 2
  Bottom w0.25: IC44.3@69.116,73.575 71.111,73.575 R218.2@71.116,73.57
VBUS_MAX: IC44.2 R221.2 R226.2 | length 3.3
  Bottom w0.25: IC44.2@69.116,74.075 69.9,74.075 70.495,74.67 R226.2@71.116,74.67 R221.2@72.216,74.67
VBUS_MIN: IC44.1 R220.2 R224.1 | length 4.1
  Bottom w0.25: IC44.1@69.116,74.575 69.646,74.575 70.016,74.945 R224.1@70.016,76.895 R220.2@71.116,76.895
VCC1P5: C241.2 IC49.1 J3.6 J3.28 J3.48 R255.2 TP6.1 | length 5.1
  Top w0.6: J3.6@101.025,29.1 v1(101.025,30.35) v1(101.025,30.85) ; J3.28@113.025,29.1 v1(113.025,30.225) v1(113.025,30.725) ; J3.48@121.025,29.1 v1(121.025,30.35) v1(121.025,30.85)
VCC1P8_RPI: C4.2 C7.1 C13.1 IC1.1 IC1.5 IC3.1 J1.88 J1.90 | length 39.9
  Top w0.2: v1(56.555,38.575) J1.88@57.165,38.575 ; J1.90@57.165,38.175 v1(57.775,38.175)
  Top w0.35: v1(58.375,38.85) 58.975,38.85 70.15,50.025 v1(70.15,55.15)
  Bottom w0.35: C4.2@57.744,38.206 58.375,38.836 58.375,40.6 59.575,41.8 C7.1@60.838,41.8 IC1.1@62.225,41.8 63.013,41.8 63.963,42.75 IC1.5@64.825,42.75 ; IC3.1@64.2,58.075 C13.1@65.587,58.075 65.675,58.075 68.6,55.15 v1(69.675,55.15) v1(70.15,55.15)